# KiCad board st225_20427.kicad_pcb

Outline 136.78 x 199.14 mm; copper layers: Top, Bottom. Coordinates in mm from the lower left corner of the outline.
Outline path: 0,133.35 0,98.04 1.65,98.04 arc(2.64,97.63) 3.05,96.65 3.05,86.74 3.33,86.74 arc(4.32,86.33) 4.73,85.34 4.73,66.42 arc(4.32,65.43) 3.33,65.02 3.05,65.02 3.05,55.25 arc(2.64,54.26) 1.65,53.85 0,53.85 0,28.19 5.84,28.19 5.84,12.32 0,12.32 0,0.64 0.63,0 135.38,0 arc(136.37,0.41) 136.78,1.4 136.78,12.32 130.94,12.32 130.94,28.19 136.78,28.19 136.78,53.98 135.13,53.98 arc(134.14,54.38) 133.73,55.37 133.73,65.15 133.45,65.15 arc(132.46,65.56) 132.05,66.55 132.05,85.47 arc(132.46,86.46) 133.45,86.87 133.73,86.87 133.73,96.77 arc(134.14,97.76) 135.13,98.17 136.78,98.17 136.78,133.22 135.13,133.22 arc(134.14,133.63) 133.73,134.62 133.73,144.4 133.45,144.4 arc(132.46,144.81) 132.05,145.8 132.05,164.72 arc(132.46,165.71) 133.45,166.12 133.73,166.12 133.73,176.02 arc(134.14,177.01) 135.13,177.42 136.78,177.42 136.78,193.04 130.68,199.14 35.31,199.14 35.31,189.61 arc(55.5,162.05) 30.23,139.06 3.17,139.06 3.17,134.75 arc(2.77,133.76) 1.78,133.35 0,133.35 ; 66.93,81.41 69.98,81.41 69.98,75.06 arc(68.45,66.9) 66.93,75.06 66.93,81.41
Stack: Top 0.035mm / dielectric 1.51mm FR4 er 4.5 / Bottom 0.035mm

## Placement (name value [footprint] x y rotation side)
C1  0.1uF  [C_1206_3216Metric_Pad1.33x1.80mm_HandSolder]  104.9 182.12 180 top
C2  0.01uF  [C_0805_2012Metric_Pad1.18x1.45mm_HandSolder]  84.2 120.9 270 top
C3  100pF  [C_0805_2012Metric_Pad1.18x1.45mm_HandSolder]  109.73 172.97 270 top
C4  0.1uF  [C_1210_3225Metric_Pad1.33x2.70mm_HandSolder]  101.73 170.94 0 top
C5  0.1uF  [C_1210_3225Metric_Pad1.33x2.70mm_HandSolder]  101.73 174.37 0 top
C6  22pF  [C_0805_2012Metric_Pad1.18x1.45mm_HandSolder]  112.01 164.21 90 top
C7  330pF  [C_0805_2012Metric_Pad1.18x1.45mm_HandSolder]  117.09 176.4 270 top
C8  0.1uF  [C_1206_3216Metric_Pad1.33x1.80mm_HandSolder]  124.33 149.23 270 top
C9  270pF  [C_0805_2012Metric_Pad1.18x1.45mm_HandSolder]  129.29 171.83 90 top
C10  0.1uF  [C_1210_3225Metric_Pad1.33x2.70mm_HandSolder]  131.57 189.48 180 top
C11  1uF 20V  [CP_EIA-3528-21_Kemet-B_Pad1.50x2.35mm_HandSolder]  129.92 183.9 90 top
C12  1uF 20V  [CP_EIA-3528-21_Kemet-B_Pad1.50x2.35mm_HandSolder]  125.98 183.9 90 top
C13  0.1uF  [C_1210_3225Metric_Pad1.33x2.70mm_HandSolder]  125.73 189.48 180 top
C14  47pF  [C_0805_2012Metric_Pad1.18x1.45mm_HandSolder]  117.98 148.72 180 top
C15  22pF  [C_0805_2012Metric_Pad1.18x1.45mm_HandSolder]  117.98 151.13 0 top
C17  0.1uF  [C_1206_3216Metric_Pad1.33x1.80mm_HandSolder]  120.65 188.21 270 top
C18  10uF 35V  [CP_EIA-7132-20_AVX-U]  123.7 31.5 0 top
C19  0.012uF  [C_1210_3225Metric_Pad1.33x2.70mm_HandSolder]  88.9 168.02 0 top
C20  0.47uF  [C_1812_4532Metric_Pad1.57x3.40mm_HandSolder]  115.82 51.82 180 top
C21  DNI  [C_1812_4532Metric_Pad1.57x3.40mm_HandSolder]  93.22 108.59 90 top
C22  0.1uF  [C_1206_3216Metric_Pad1.33x1.80mm_HandSolder]  62.23 132.33 180 top
C23  22pF  [C_0805_2012Metric]  123.82 113.79 270 top
C24  100uF  [C_Axial_L12.0mm_D6.5mm_P20.00mm_Horizontal]  113.03 32.48 270 top
C25  0.1uF  [C_1206_3216Metric_Pad1.33x1.80mm_HandSolder]  79.5 156.72 0 top
C26  10uF 35V  [CP_EIA-7132-20_AVX-U_Pad2.72x3.50mm_HandSolder]  130.68 138.56 270 top
C27  0.1uF  [C_1206_3216Metric_Pad1.33x1.80mm_HandSolder]  111.38 37.34 90 top
C28  0.1uF  [C_1206_3216Metric_Pad1.33x1.80mm_HandSolder]  5.46 7.11 270 top
C29  0.1uF  [C_1206_3216Metric_Pad1.33x1.80mm_HandSolder]  126.11 143.51 90 top
C30  0.1uF  [C_1206_3216Metric_Pad1.33x1.80mm_HandSolder]  64.9 157.23 270 top
C32  0.1uF  [C_1206_3216Metric_Pad1.33x1.80mm_HandSolder]  104.52 14.22 180 top
C33  0.1uF  [C_1206_3216Metric_Pad1.33x1.80mm_HandSolder]  48.26 23.24 0 top
C34  0.1uF  [C_1206_3216Metric_Pad1.33x1.80mm_HandSolder]  95.5 37.34 90 top
C35  0.1uF  [C_1206_3216Metric_Pad1.33x1.80mm_HandSolder]  79.63 22.61 270 top
C36  100pF  [C_0805_2012Metric]  96.77 142.49 90 top
C37  0.1uF  [C_1206_3216Metric_Pad1.33x1.80mm_HandSolder]  63.75 21.46 270 top
C38  0.1uF  [C_1206_3216Metric_Pad1.33x1.80mm_HandSolder]  4.32 106.55 270 top
C39  1uF 20V  [CP_EIA-6032-15_Kemet-U]  9.14 86.74 90 top
C40  0.1uF  [C_1206_3216Metric_Pad1.33x1.80mm_HandSolder]  108.58 51.56 270 top
C41  0.1uF  [C_1206_3216Metric_Pad1.33x1.80mm_HandSolder]  50.67 114.17 0 top
C42  0.1uF  [C_1206_3216Metric_Pad1.33x1.80mm_HandSolder]  92.84 142.49 270 top
C43  0.1uF  [C_1206_3216Metric_Pad1.33x1.80mm_HandSolder]  117.09 32.13 270 top
C44  ?  [C_1206_3216Metric_Pad1.33x1.80mm_HandSolder]  97.54 136.91 180 top
C47  0.1uF  [C_1206_3216Metric_Pad1.33x1.80mm_HandSolder]  32 85.73 270 top
C48  ?  [C_1206_3216Metric_Pad1.33x1.80mm_HandSolder]  99.57 142.49 270 top
C50  1uF 20V  [CP_EIA-3528-21_Kemet-B_Pad1.50x2.35mm_HandSolder]  97.41 161.16 0 top
C51  0.12uF  [C_1206_3216Metric_Pad1.33x1.80mm_HandSolder]  104.52 161.67 0 top
C52  0.012uF  [C_0805_2012Metric_Pad1.18x1.45mm_HandSolder]  87.63 155.07 0 top
C53  0.012uF  [C_0805_2012Metric_Pad1.18x1.45mm_HandSolder]  87.5 151.38 0 top
C54  0.1uF  [C_1206_3216Metric_Pad1.33x1.80mm_HandSolder]  87.76 136.27 180 top
C55  47pF  [C_0805_2012Metric_Pad1.18x1.45mm_HandSolder]  89.15 115.06 180 top
C56  0.1uF  [C_1206_3216Metric_Pad1.33x1.80mm_HandSolder]  92.71 136.4 90 top
C57  0.1uF  [C_1206_3216Metric_Pad1.33x1.80mm_HandSolder]  73.79 130.81 270 top
C58  0.1uF  [C_1206_3216Metric_Pad1.33x1.80mm_HandSolder]  130.81 115.32 270 top
C59  0.1uF  [C_1206_3216Metric_Pad1.33x1.80mm_HandSolder]  87.76 140.08 0 top
CR1  1N5818  [D_DO-35_SOD27_P10.16mm_Horizontal]  117.6 47.12 270 top
CR2  1N5818  [D_DO-35_SOD27_P10.16mm_Horizontal]  113.54 66.55 270 top
CR3  1N5818  [D_DO-35_SOD27_P10.16mm_Horizontal]  135.25 109.73 270 top
D1  RED  [PinHeader_1x02_P2.54mm_Vertical]  108.33 188.6 90 top
D2  1N4148  [SOT-23]  114.55 41.4 180 top
J1  HEADS  [PinHeader_2x08_P2.54mm_Vertical]  82.95 180.97 90 top
J3  POWER  [Samtec_HPM-04-01-x-S_Straight_1x04_Pitch5.08mm]  132.33 5.84 270 top
J4  SPINDLE  [PinHeader_1x07_P2.54mm_Vertical]  121.28 53.47 0 top
J6  STEPPER  [PinHeader_1x05_P2.54mm_Vertical]  78.36 194.94 0 top
J8  SCSI  [PinHeader_2x25_P2.54mm_Horizontal]  91.44 12.13 270 top
J9  SCSI ID  [PinHeader_2x03_P2.54mm_Vertical]  15.48 14.74 270 top
JP1  ?  [JMP2]  122.17 118.75 0 top
JP2  ?  [JMP2]  130.43 118.75 90 top
JP3  ?  [JMP2]  76.45 115.7 90 top
L1  2.7uH  [L_1206_3216Metric_Pad1.22x1.90mm_HandSolder]  106.81 170.18 270 top
L2  2.7uH  [L_1206_3216Metric_Pad1.22x1.90mm_HandSolder]  106.81 176.15 90 top
L3  12uH  [L_1206_3216Metric_Pad1.22x1.90mm_HandSolder]  112.78 169.93 90 top
L4  12uH  [L_1206_3216Metric_Pad1.22x1.90mm_HandSolder]  112.78 176.28 270 top
L5  3.9uH  [L_1206_3216Metric_Pad1.22x1.90mm_HandSolder]  125.6 170.05 180 top
L6  10uH  [L_1206_3216Metric_Pad1.22x1.90mm_HandSolder]  122.3 143.26 270 top
L7  22uH  [L_Axial_L13.0mm_D4.5mm_P15.24mm_Horizontal_Fastron_HCCC]  127.38 12.7 98 top
L8  22uH  [L_Axial_L13.0mm_D4.5mm_P15.24mm_Horizontal_Fastron_HCCC]  120.44 12.65 98 top
Q1  BD436  [TO-126-3_Horizontal_TabDown]  115.63 78.23 270 top
Q2  2N6039  [TO-126-3_Horizontal_TabDown]  115.63 87.12 270 top
Q3  BD436  [TO-126-3_Horizontal_TabDown]  117.03 98.68 270 top
Q4  2N6039  [TO-126-3_Horizontal_TabDown]  117.03 107.7 270 top
Q5  BD436  [TO-126-3_Horizontal_TabDown]  116.27 67.95 270 top
Q6  DNI  [SOT-23]  103.89 51.69 180 top
Q7  DNI  [SOT-23]  104.52 90.81 270 top
Q10  DNI  [SOT-23]  63.5 137.67 180 top
R1  162  [R_1206_3216Metric_Pad1.30x1.75mm_HandSolder]  101.73 167.64 180 top
R2  162  [R_1206_3216Metric_Pad1.30x1.75mm_HandSolder]  101.73 178.05 180 top
R3  357  [R_1206_3216Metric_Pad1.30x1.75mm_HandSolder]  120.78 176.53 90 top
R4  39  [R_1206_3216Metric_Pad1.30x1.75mm_HandSolder]  125.73 173.23 180 top
R5  2.4K  [R_1206_3216Metric_Pad1.30x1.75mm_HandSolder]  114.05 150.24 270 top
R6  100  [R_1206_3216Metric_Pad1.30x1.75mm_HandSolder]  112.01 156.46 90 top
R7  54.9  [R_1206_3216Metric_Pad1.30x1.75mm_HandSolder]  119 171.32 180 top
R8  2.8K  [R_1206_3216Metric_Pad1.30x1.75mm_HandSolder]  74.8 158.88 270 top
R9  698  [R_1206_3216Metric_Pad1.30x1.75mm_HandSolder]  115.7 189.1 0 top
R10  330  [R_1206_3216Metric_Pad1.30x1.75mm_HandSolder]  120.65 182.37 90 top
R11  1.36K  [R_1206_3216Metric_Pad1.30x1.75mm_HandSolder]  79.5 160.53 0 top
R12  11  [R_1210_3225Metric_Pad1.30x2.65mm_HandSolder]  56.64 186.56 180 top
R13  560  [R_1210_3225Metric_Pad1.30x2.65mm_HandSolder]  111.63 45.72 270 top
R14  DNI  [R_1206_3216Metric_Pad1.30x1.75mm_HandSolder]  88.14 110.24 180 top
R15  10  [R_1206_3216Metric_Pad1.30x1.75mm_HandSolder]  88.26 106.68 0 top
R16  1K  [R_1206_3216Metric_Pad1.30x1.75mm_HandSolder]  103.38 144.53 90 top
R17  22.1K  [R_1206_3216Metric_Pad1.30x1.75mm_HandSolder]  115.7 112.01 180 top
R18  56  [R_1206_3216Metric_Pad1.30x1.75mm_HandSolder]  69.09 132.33 180 top
R19  10K  [R_1206_3216Metric_Pad1.30x1.75mm_HandSolder]  77.34 122.56 270 top
R20  330  [R_1206_3216Metric_Pad1.30x1.75mm_HandSolder]  113.03 75.31 270 top
R21  11  [R_1210_3225Metric_Pad1.30x2.65mm_HandSolder]  50.55 185.8 180 top
R22  100  [R_1210_3225Metric]  110.49 64.14 270 top
R23  750  [R_1206_3216Metric_Pad1.30x1.75mm_HandSolder]  114.05 107.19 270 top
R24  1K  [R_1206_3216Metric_Pad1.30x1.75mm_HandSolder]  22.48 111.76 180 top
R25  2K  [R_1206_3216Metric_Pad1.30x1.75mm_HandSolder]  28.96 124.71 180 top
R26  100  [R_1206_3216Metric_Pad1.30x1.75mm_HandSolder]  110.87 70.74 0 top
R27  0.39  [R_Axial_DIN0309_L9.0mm_D3.2mm_P20.32mm_Horizontal]  109.22 111.38 270 top
R28  330  [R_1206_3216Metric_Pad1.30x1.75mm_HandSolder]  114.17 95.12 270 top
R29  100  [R_1210_3225Metric]  111.63 80.9 180 top
R30  2K  [R_1206_3216Metric_Pad1.30x1.75mm_HandSolder]  77.34 130.68 270 top
R31  3.3K  [R_1206_3216Metric_Pad1.30x1.75mm_HandSolder]  106.43 76.07 270 top
R32  11  [R_1210_3225Metric_Pad1.30x2.65mm_HandSolder]  45.34 188.72 270 top
R33  120  [R_1206_3216Metric_Pad1.30x1.75mm_HandSolder]  82.55 165.74 90 top
R34  120  [R_1206_3216Metric_Pad1.30x1.75mm_HandSolder]  78.99 168.15 90 top
R35  120  [R_1206_3216Metric_Pad1.30x1.75mm_HandSolder]  75.31 168.15 90 top
R36  16K  [R_Axial_DIN0207_L6.3mm_D2.5mm_P10.16mm_Horizontal]  127.25 121.29 270 top
R37  810  [R_1210_3225Metric_Pad1.30x2.65mm_HandSolder]  69.47 161.8 180 top
R38  810  [R_1210_3225Metric_Pad1.30x2.65mm_HandSolder]  69.47 157.99 180 top
R39  11  [R_1210_3225Metric_Pad1.30x2.65mm_HandSolder]  70.23 177.55 270 top
R40  11  [R_1210_3225Metric_Pad1.30x2.65mm_HandSolder]  67.82 168.15 90 top
R41  11  [R_1210_3225Metric_Pad1.30x2.65mm_HandSolder]  74.17 177.55 90 top
R42  11  [R_1210_3225Metric_Pad1.30x2.65mm_HandSolder]  66.04 177.29 270 top
R43  11  [R_1210_3225Metric_Pad1.30x2.65mm_HandSolder]  59.56 167 0 top
R44  5.1  [R_1206_3216Metric_Pad1.30x1.75mm_HandSolder]  84.33 127.38 270 top
R45  11  [R_1210_3225Metric_Pad1.30x2.65mm_HandSolder]  59.56 175.26 180 top
R46  510  [R_1206_3216Metric_Pad1.30x1.75mm_HandSolder]  95.25 167.89 180 top
R47  11  [R_1210_3225Metric_Pad1.30x2.65mm_HandSolder]  59.44 171.07 180 top
R48  11  [R_1210_3225Metric_Pad1.30x2.65mm_HandSolder]  59.44 181.61 180 top
R49  810  [R_1210_3225Metric_Pad1.30x2.65mm_HandSolder]  59.18 157.99 0 top
R50  11  [R_1210_3225Metric_Pad1.30x2.65mm_HandSolder]  50.16 190.63 180 top
R51  11  [R_1210_3225Metric_Pad1.30x2.65mm_HandSolder]  38.99 190.75 180 top
R52  11  [R_1210_3225Metric_Pad1.30x2.65mm_HandSolder]  50.16 194.06 0 top
R53  100  [R_1206_3216Metric_Pad1.30x1.75mm_HandSolder]  115.7 181.99 180 top
R54  51  [R_1206_3216Metric]  115.7 192.66 0 top
R55  DNI  [R_1206_3216Metric_Pad1.30x1.75mm_HandSolder]  115.7 185.55 180 top
R56  DNI  [R_1206_3216Metric_Pad1.30x1.75mm_HandSolder]  48.13 26.92 180 top
R57  120  [R_1206_3216Metric_Pad1.30x1.75mm_HandSolder]  72.01 168.15 90 top
R58  2K  [R_1206_3216Metric_Pad1.30x1.75mm_HandSolder]  23.11 16.89 0 top
R59  3.3K  [R_1206_3216Metric_Pad1.30x1.75mm_HandSolder]  55.24 137.41 270 top
R60  62K  [R_1206_3216Metric_Pad1.30x1.75mm_HandSolder]  58.55 137.41 270 top
R61  11  [R_1210_3225Metric_Pad1.30x2.65mm_HandSolder]  38.99 194.18 180 top
R62  810  [R_1210_3225Metric_Pad1.30x2.65mm_HandSolder]  59.18 161.93 0 top
R63  DNI  [R_1206_3216Metric_Pad1.30x1.75mm_HandSolder]  67.82 137.41 270 top
R64  6.2K  [R_1206_3216Metric_Pad1.30x1.75mm_HandSolder]  69.47 144.78 270 top
R65  100  [R_1210_3225Metric]  106.55 64.01 270 top
R66  100  [R_1210_3225Metric]  106.17 81.03 180 top
R67  6.2K  [R_1206_3216Metric_Pad1.30x1.75mm_HandSolder]  112.78 85.98 90 top
R68  6.2K  [R_1206_3216Metric_Pad1.30x1.75mm_HandSolder]  113.92 101.35 270 top
R69  51  [R_1206_3216Metric_Pad1.30x1.75mm_HandSolder]  104.9 98.04 270 top
R70  51  [R_1206_3216Metric_Pad1.30x1.75mm_HandSolder]  101.47 98.04 270 top
R71  51  [R_1206_3216Metric_Pad1.30x1.75mm_HandSolder]  104.39 86.11 270 top
R72  100  [R_1206_3216Metric_Pad1.30x1.75mm_HandSolder]  107.57 86.11 90 top
R73  1K  [R_1206_3216Metric_Pad1.30x1.75mm_HandSolder]  97.92 98.04 270 top
R74  3.3K  [R_1206_3216Metric_Pad1.30x1.75mm_HandSolder]  109.85 75.44 90 top
R75  22  [R_1206_3216Metric_Pad1.30x1.75mm_HandSolder]  109.35 182.63 90 top
R76  3.3K  [R_1206_3216Metric_Pad1.30x1.75mm_HandSolder]  106.55 69.98 270 top
R77  11  [R_1210_3225Metric_Pad1.30x2.65mm_HandSolder]  54.48 180.72 90 top
R78  1K  [R_1206_3216Metric_Pad1.30x1.75mm_HandSolder]  107.7 118.62 270 top
R79  1.8K?  [R_1206_3216Metric_Pad1.30x1.75mm_HandSolder]  118.36 136.91 270 top
R80  47  [R_1206_3216Metric_Pad1.30x1.75mm_HandSolder]  103.38 138.81 90 top
R81  150  [R_1206_3216Metric_Pad1.30x1.75mm_HandSolder]  104.52 158.62 180 top
R82  4.75K  [R_1206_3216Metric_Pad1.30x1.75mm_HandSolder]  87.76 162.81 180 top
R83  680  [R_1206_3216Metric_Pad1.30x1.75mm_HandSolder]  87.76 159 180 top
R84  680  [R_1206_3216Metric_Pad1.30x1.75mm_HandSolder]  87.69 147.6 180 top
R85  511  [R_1206_3216Metric_Pad1.30x1.75mm_HandSolder]  87.76 127.38 90 top
R86  ?  [R_1206_3216Metric_Pad1.30x1.75mm_HandSolder]  87.76 121.03 90 top
R87  4.32K  [R_1206_3216Metric_Pad1.30x1.75mm_HandSolder]  87.76 132.46 180 top
R88  221  [R_1206_3216Metric_Pad1.30x1.75mm_HandSolder]  101.85 115.19 0 top
R89  100  [R_1206_3216Metric_Pad1.30x1.75mm_HandSolder]  95.38 115.19 0 top
R90  1K  [R_1206_3216Metric_Pad1.30x1.75mm_HandSolder]  28.07 86.11 90 top
R91  470  [R_1206_3216Metric_Pad1.30x1.75mm_HandSolder]  117.22 57.91 90 top
RN1  TERM  [R_Array_SIP8]  88.89 17.15 0 top
RN2  TERM  [R_Array_SIP8]  66.03 17.27 0 top
RN3  TERM  [R_Array_SIP8]  43.17 17.27 0 top
U1  8051  [PLCC-44]  18.67 70.61 0 top
U2  74LS373  [SOP127P1065X265-20_SHRINK]  18.8 88.14 90 top
U3  CDM6264  [SOP127P1270X305-28_SHRINK]  17.53 102.36 90 top
U4  74LS373  [SOP127P1065X265-20_SHRINK]  34.8 103.76 180 top
U5  AIC-010L  [PLCC-44]  24.77 49.66 270 top
U6  AIC-300L  [PLCC-44]  35.18 28.7 0 top
U7  SRAM_6116  [SOP127P1250X255-24]  17.02 28.07 180 top
U8  AIC-250L  [PLCC-28]  97.79 124.84 0 top
U9  DP8455  [PLCC-20]  97.79 152.15 90 top
U10  MC3479  [PLCC-20]  61.34 147.96 0 top
U11  74LS240  [SOP127P1065X265-20_SHRINK]  71.5 25.4 180 top
U12  74LS240  [SOP127P1065X265-20_SHRINK]  87.5 25.4 180 top
U13  74F08  [SOP127P620X175-14_SHRINK]  35.94 130.94 90 top
U14  74LS14  [SOP127P620X175-14_SHRINK]  35.81 117.6 90 top
U15  74F38  [SOP127P620X175-14_SHRINK]  55.75 22.48 270 top
U16  74F38  [SOP127P620X175-14_SHRINK]  55.75 31.24 270 top
U17  74F38  [SOP127P620X175-14_SHRINK]  102.11 22.23 270 top
U18  74F38  [SOP127P620X175-14_SHRINK]  102.11 31.12 270 top
U19  74LS373  [SOP127P1065X265-20_SHRINK]  103.38 41.91 180 top
U20  7406  [SOP127P620X175-14_SHRINK]  48.51 108.08 90 top
U21  11647-501  [PLCC-44]  64.52 119.38 270 top
U22  SSI257_2  [SOP127P1065X265-20_SHRINK]  77.6 141.99 180 top
U23  74LS196  [SOP127P620X175-14_SHRINK]  24.51 117.48 90 top
U24  74F74  [SOP127P620X175-14_SHRINK]  24.51 130.94 90 top
U25  74F04  [SOP127P620X175-14_SHRINK]  128.65 128.4 180 top
U26  74LS00  [SOP127P620X175-14_SHRINK]  119.76 128.27 180 top
U27  75448  [SOP127P620X175-8_SHRINK]  108.2 58.01 180 top
U28  11695-502  [SOP127P1065X265-16_SHRINK]  100.97 107.19 270 top
U29  74LS123  [SOP127P620X175-16_SHRINK]  116.04 117.52 270 top
U30  74F74  [SOP127P620X175-14_SHRINK]  110.74 128.27 180 top
U31  74F109  [SOP127P620X175-16_SHRINK]  110.87 139.14 180 top
U32  11642-501  [SOP127P620X175-16_SHRINK]  92.2 173.48 90 top
U33  SSI280.2  [PLCC-28]  121.92 160.66 270 top
X1  20MHz  [Oscillator_DIP-14]  15.62 116.97 90 top

## Library data of the parts
C1-C10 C13-C15 C17 C19-C23 C25 C27-C30 C32-C38 C40-C44 C47 C48 C51-C59 = -: Description: Unpolarized capacitor, small symbol
C11 C12 C18 C24 C26 C39 C50 = -: Description: Polarized capacitor, small US symbol
CR1-CR3 = -: Description: Diode, small symbol, filled shape; Sim.Device: D; Sim.Pins: 1=K 2=A
D1 = -: Description: Light emitting diode, small symbol, filled shape
D2 = -: Description: Diode, anode on pins 1 and 2
J1 = -: Description: Generic connector, double row, 02x08, odd/even pin numbering scheme (row 1 odd numbers, row 2 even numbers), script generated (kicad-library-utils/schlib/autogen/connector/)
J3 = -: Description: Generic connector, single row, 01x04, script generated (kicad-library-utils/schlib/autogen/connector/)
J4 = -: Description: Generic connector, single row, 01x07, script generated (kicad-library-utils/schlib/autogen/connector/)
J6 = -: Description: Generic connector, single row, 01x05, script generated (kicad-library-utils/schlib/autogen/connector/)
J8 = -: Description: Generic connector, double row, 02x25, odd/even pin numbering scheme (row 1 odd numbers, row 2 even numbers), script generated (kicad-library-utils/schlib/autogen/connector/)
J9 = -: Description: Generic connector, double row, 02x03, odd/even pin numbering scheme (row 1 odd numbers, row 2 even numbers), script generated (kicad-library-utils/schlib/autogen/connector/)
JP1-JP3 = -: Description: Jumper, 2-pole, closed/bridged
L1-L6 = -: Description: Inductor, small symbol
L7 L8 = -: Description: Inductor
Q1 Q3 Q5 = -: Description: PNP transistor, emitter/collector/base
Q2 Q4 = -: Description: NPN transistor, emitter/collector/base
Q6 Q7 Q10 = -: Description: PNP transistor, base/emitter/collector
R1-R91 = -: Description: Resistor, small US symbol
RN1-RN3 = -: Description: 6 voltage divider network, dual terminator, SIP package
U2 U4 U19 = -: Description: 8-bit Latch, 3-state outputs
U7 = -: Description: 32Kx8 bit Low Power CMOS Static RAM, 55/70ns, DIP-28
U11 U12 = -: Description: Octal Buffer and Line Driver With 3-State Output, active-low enables, inverting outputs
U13 = -: Description: Quad And2
U14 = -: Description: Hex inverter schmitt trigger
U15-U18 = -: Description: Quad Buffer 2-input NAND Open collector
U20 = -: Description: Inverter Open Collect
U23 = -: Description: 4 (3+1)-bit presettable BCD counter
U24 U30 = -: Description: Dual D Flip-flop, Set & Reset
U25 = -: Description: Hex Inverter
U26 = -: Description: quad 2-input NAND gate
U27 = -: Description: quad 2-input NOR, open collector
U29 = -: Description: Dual retriggerable Monostable
U31 = -: Description: Dual JK Flip-Flop, Set & Reset
X1 = -: Description: HCMOS Crystal Clock Oscillator, DIP14-style metal package

## Footprints (pads in the part's own frame, mm; a bottom-side part is the same pattern mirrored in y, then rotated)
C_0805_2012Metric
  rrect 1x1.45 smd: 1(-0.95,0) 2(0.95,0)
C_0805_2012Metric_Pad1.18x1.45mm_HandSolder
  rrect 1.175x1.45 smd: 1(-1.038,0) 2(1.038,0)
C_1206_3216Metric_Pad1.33x1.80mm_HandSolder
  rrect 1.325x1.8 smd: 1(-1.562,0) 2(1.562,0)
C_1210_3225Metric_Pad1.33x2.70mm_HandSolder
  rrect 1.325x2.7 smd: 1(-1.562,0) 2(1.562,0)
C_1812_4532Metric_Pad1.57x3.40mm_HandSolder
  rrect 1.575x3.4 smd: 1(-2.138,0) 2(2.138,0)
C_Axial_L12.0mm_D6.5mm_P20.00mm_Horizontal
  round 1.6 hole 0.8: 1(0,0)
  oval 1.6x1.6 hole 0.8: 2(20,0)
CP_EIA-3528-21_Kemet-B_Pad1.50x2.35mm_HandSolder
  rrect 1.5x2.35 smd: 1(-1.625,0) 2(1.625,0)
CP_EIA-6032-15_Kemet-U
  rrect 2.075x2.35 smd: 1(-2.462,0) 2(2.462,0)
CP_EIA-7132-20_AVX-U
  rrect 2.55x3.5 smd: 1(-2.775,0) 2(2.775,0)
CP_EIA-7132-20_AVX-U_Pad2.72x3.50mm_HandSolder
  rrect 2.725x3.5 smd: 1(-2.862,0) 2(2.862,0)
D_DO-35_SOD27_P10.16mm_Horizontal
  rect 1.6x1.6 hole 0.8: 1(0,0)
  oval 1.6x1.6 hole 0.8: 2(10.16,0)
JMP2
  round 1.524 hole 0.889: 1(0,0) 2(2.54,0)
L_1206_3216Metric_Pad1.22x1.90mm_HandSolder
  rrect 1.225x1.9 smd: 1(-1.663,0) 2(1.663,0)
L_Axial_L13.0mm_D4.5mm_P15.24mm_Horizontal_Fastron_HCCC
  round 2.4 hole 1.2: 1(0,0)
  oval 2.4x2.4 hole 1.2: 2(15.24,0)
Oscillator_DIP-14
  rect 1.6x1.6 hole 0.8: 1(0,0)
  round 1.6 hole 0.8: 7(15.24,0) 8(15.24,7.62) 14(0,7.62)
PinHeader_1x02_P2.54mm_Vertical
  rect 1.7x1.7 hole 1: 1(0,0)
  oval 1.7x1.7 hole 1: 2(0,-2.54)
PinHeader_1x05_P2.54mm_Vertical
  rect 1.7x1.7 hole 1: 1(0,0)
  oval 1.7x1.7 hole 1: 2(0,-2.54) 3(0,-5.08) 4(0,-7.62) 5(0,-10.16)
PinHeader_1x07_P2.54mm_Vertical
  rect 1.7x1.7 hole 1: 1(0,0)
  oval 1.7x1.7 hole 1: 2(0,-2.54) 3(0,-5.08) 4(0,-7.62) 5(0,-10.16) 6(0,-12.7) 7(0,-15.24)
PinHeader_2x03_P2.54mm_Vertical
  rect 1.7x1.7 hole 1: 1(0,0)
  oval 1.7x1.7 hole 1: 2(2.54,0) 3(0,-2.54) 4(2.54,-2.54) 5(0,-5.08) 6(2.54,-5.08)
PinHeader_2x08_P2.54mm_Vertical
  rect 1.7x1.7 hole 1: 1(0,0)
  oval 1.7x1.7 hole 1: 2(2.54,0) 3(0,-2.54) 4(2.54,-2.54) 5(0,-5.08) 6(2.54,-5.08) 7(0,-7.62) 8(2.54,-7.62) 9(0,-10.16) 10(2.54,-10.16) 11(0,-12.7) 12(2.54,-12.7) 13(0,-15.24) 14(2.54,-15.24) 15(0,-17.78) 16(2.54,-17.78)
PinHeader_2x25_P2.54mm_Horizontal
  rect 1.7x1.7 hole 1: 1(0,0)
  oval 1.7x1.7 hole 1: 2(2.54,0) 3(0,-2.54) 4(2.54,-2.54) 5(0,-5.08) 6(2.54,-5.08) 7(0,-7.62) 8(2.54,-7.62) 9(0,-10.16) 10(2.54,-10.16) 11(0,-12.7) 12(2.54,-12.7) 13(0,-15.24) 14(2.54,-15.24) 15(0,-17.78) 16(2.54,-17.78) 17(0,-20.32) 18(2.54,-20.32) 19(0,-22.86) 20(2.54,-22.86) 21(0,-25.4) 22(2.54,-25.4) 23(0,-27.94) 24(2.54,-27.94) 25(0,-30.48) 26(2.54,-30.48) 27(0,-33.02) 28(2.54,-33.02) 29(0,-35.56) 30(2.54,-35.56) 31(0,-38.1) 32(2.54,-38.1) 33(0,-40.64) 34(2.54,-40.64) 35(0,-43.18) 36(2.54,-43.18) 37(0,-45.72) 38(2.54,-45.72) 39(0,-48.26) 40(2.54,-48.26) 41(0,-50.8) 42(2.54,-50.8) 43(0,-53.34) 44(2.54,-53.34) 45(0,-55.88) 46(2.54,-55.88) 47(0,-58.42) 48(2.54,-58.42) 49(0,-60.96) 50(2.54,-60.96)
PLCC-20
  rect 0.7x1.925 smd: 1(0,4.053) 2(-1.27,4.053) 3(-2.54,4.053) 9(-2.54,-4.053) 10(-1.27,-4.053) 11(0,-4.053) 12(1.27,-4.053) 13(2.54,-4.053) 19(2.54,4.053) 20(1.27,4.053)
  rect 1.925x0.7 smd: 4(-4.053,2.54) 5(-4.053,1.27) 6(-4.053,0) 7(-4.053,-1.27) 8(-4.053,-2.54) 14(4.053,-2.54) 15(4.053,-1.27) 16(4.053,0) 17(4.053,1.27) 18(4.053,2.54)
PLCC-28
  rect 0.7x1.925 smd: 1(0,5.322) 2(-1.27,5.322) 3(-2.54,5.322) 4(-3.81,5.322) 12(-3.81,-5.322) 13(-2.54,-5.322) 14(-1.27,-5.322) 15(0,-5.322) 16(1.27,-5.322) 17(2.54,-5.322) 18(3.81,-5.322) 26(3.81,5.322) 27(2.54,5.322) 28(1.27,5.322)
  rect 1.925x0.7 smd: 5(-5.322,3.81) 6(-5.322,2.54) 7(-5.322,1.27) 8(-5.322,0) 9(-5.322,-1.27) 10(-5.322,-2.54) 11(-5.322,-3.81) 19(5.322,-3.81) 20(5.322,-2.54) 21(5.322,-1.27) 22(5.322,0) 23(5.322,1.27) 24(5.322,2.54) 25(5.322,3.81)
PLCC-44
  rect 0.7x1.925 smd: 1(0,7.862) 2(-1.27,7.862) 3(-2.54,7.862) 4(-3.81,7.862) 5(-5.08,7.862) 6(-6.35,7.862) 18(-6.35,-7.862) 19(-5.08,-7.862) 20(-3.81,-7.862) 21(-2.54,-7.862) 22(-1.27,-7.862) 23(0,-7.862) 24(1.27,-7.862) 25(2.54,-7.862) 26(3.81,-7.862) 27(5.08,-7.862) 28(6.35,-7.862) 40(6.35,7.862) 41(5.08,7.862) 42(3.81,7.862) 43(2.54,7.862) 44(1.27,7.862)
  rect 1.925x0.7 smd: 7(-7.862,6.35) 8(-7.862,5.08) 9(-7.862,3.81) 10(-7.862,2.54) 11(-7.862,1.27) 12(-7.862,0) 13(-7.862,-1.27) 14(-7.862,-2.54) 15(-7.862,-3.81) 16(-7.862,-5.08) 17(-7.862,-6.35) 29(7.862,-6.35) 30(7.862,-5.08) 31(7.862,-3.81) 32(7.862,-2.54) 33(7.862,-1.27) 34(7.862,0) 35(7.862,1.27) 36(7.862,2.54) 37(7.862,3.81) 38(7.862,5.08) 39(7.862,6.35)
R_1206_3216Metric
  rrect 1.125x1.75 smd: 1(-1.462,0) 2(1.462,0)
R_1206_3216Metric_Pad1.30x1.75mm_HandSolder
  rrect 1.3x1.75 smd: 1(-1.55,0) 2(1.55,0)
R_1210_3225Metric
  rrect 1.125x2.65 smd: 1(-1.462,0) 2(1.462,0)
R_1210_3225Metric_Pad1.30x2.65mm_HandSolder
  rrect 1.3x2.65 smd: 1(-1.55,0) 2(1.55,0)
R_Array_SIP8
  rect 1.6x1.6 hole 0.8: 1(0,0)
  oval 1.6x1.6 hole 0.8: 2(2.54,0) 3(5.08,0) 4(7.62,0) 5(10.16,0) 6(12.7,0) 7(15.24,0) 8(17.78,0)
R_Axial_DIN0207_L6.3mm_D2.5mm_P10.16mm_Horizontal
  round 1.6 hole 0.8: 1(0,0)
  oval 1.6x1.6 hole 0.8: 2(10.16,0)
R_Axial_DIN0309_L9.0mm_D3.2mm_P20.32mm_Horizontal
  round 1.6 hole 0.8: 1(0,0)
  oval 1.6x1.6 hole 0.8: 2(20.32,0)
Samtec_HPM-04-01-x-S_Straight_1x04_Pitch5.08mm
  rect 2.8x2.8 hole 1.75: 1(0,0)
  round 2.8 hole 1.75: 2(0,-5.08) 3(0,-10.16) 4(0,-15.24)
SOP127P620X175-8_SHRINK
  rect 1.2x0.55 smd: 1(-2.5,1.905) 2(-2.5,0.635) 3(-2.5,-0.635) 4(-2.5,-1.905) 5(2.5,-1.905) 6(2.5,-0.635) 7(2.5,0.635) 8(2.5,1.905)
SOP127P620X175-14_SHRINK
  rect 1.2x0.6 smd: 1(-2.5,3.81) 2(-2.5,2.54) 3(-2.5,1.27) 4(-2.5,0) 5(-2.5,-1.27) 6(-2.5,-2.54) 7(-2.5,-3.81) 8(2.5,-3.81) 9(2.5,-2.54) 10(2.5,-1.27) 11(2.5,0) 12(2.5,1.27) 13(2.5,2.54) 14(2.5,3.81)
SOP127P620X175-16_SHRINK
  rect 1.2x0.6 smd: 1(-2.5,4.445) 2(-2.5,3.175) 3(-2.5,1.905) 4(-2.5,0.635) 5(-2.5,-0.635) 6(-2.5,-1.905) 7(-2.5,-3.175) 8(-2.5,-4.445) 9(2.5,-4.445) 10(2.5,-3.175) 11(2.5,-1.905) 12(2.5,-0.635) 13(2.5,0.635) 14(2.5,1.905) 15(2.5,3.175) 16(2.5,4.445)